# Altium PCB ECE453_Custom.PcbDoc (part 1 of 2) (continued)
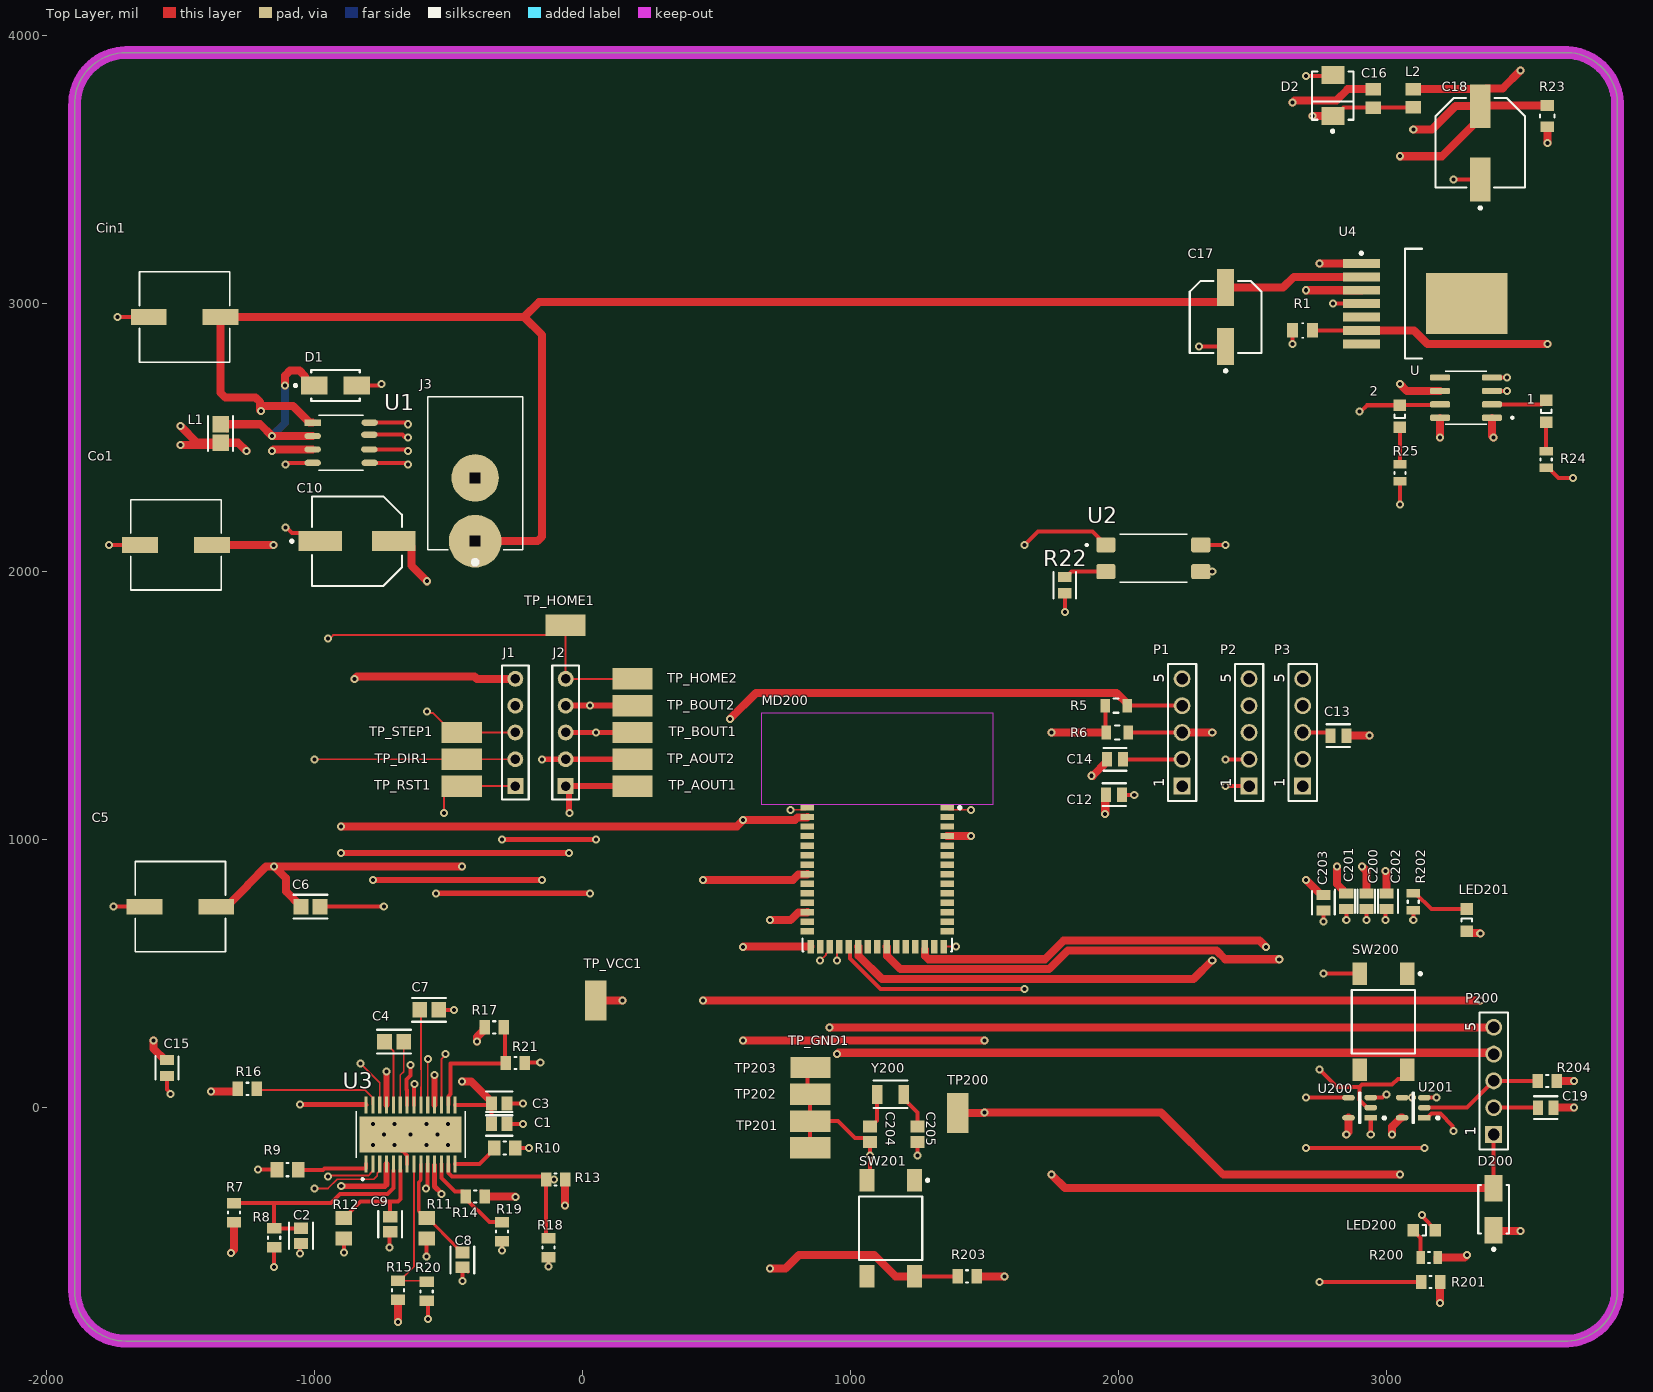
[diagram p0: Top Layer view]
## Part data (continued)
C204 C205: library part CMP-2007-04344-1, Capacitance=6pF, Case Code (Imperial)=0805, Case Code (Metric)=2012, Dielectric=C0G, Manufacturer="AVX Interconnect / Elco", Manufacturer 1="Kyocera AVX", Max Operating Temperature=125°C, Min Operating Temperature=-55°C, Package Quantity=4000, Supplier Part Number 1=478-11894-1-ND, Voltage Rating=50V, Case/Package=0805, Category="Ceramic Capacitors", ComponentLink1Description=https://datasheet.ciiva.com/205/ccog-205395.pdf?src-supplier=Digi-Key, ComponentLink1URL=https://datasheet.ciiva.com/205/ccog-205395.pdf?src-supplier=Digi-Key, ComponentLink2Description=https://datasheet.ciiva.com/11499/ccog-11499893.pdf?src-supplier=Avnet, ComponentLink2URL=https://datasheet.ciiva.com/11499/ccog-11499893.pdf?src-supplier=Avnet, ComponentLink3Description=https://datasheet.ciiva.com/5424/ccog-5424575.pdf?src-supplier=Mouser, ComponentLink3URL=https://datasheet.ciiva.com/5424/ccog-5424575.pdf?src-supplier=Mouser, Construction=Flat, Depth=1.25mm, Length=2.01mm, Manufacturer Part Number 1=08055A6R0CAT2A, Mount="Surface Mount", Packaging="Tape and Reel", Part Number=08055A6R0CAT2A, Pricing 1="1=0.24000, 10=0.16700, 50=0.10000, 100=0.08440, 500=0.05778, 1000=0.05111 (USD)", Radiation Hardening=No, RoHS=Yes, RoHS Compliant=Yes, Series=-, Stock 1=19844, Supplier 1=Digi-Key, Termination=SMD/SMT, Thickness=0.037inch, Voltage Rating (DC)=50V, Width=0.049inch
Co1: "Cap Aluminum Polymer 100uF 20VDC 20% (8 X 7mm) SMD 0.042 Ohm 1400mA 3000h 105C Automotive T/R", Capacitance=100uF, Case/Package=Radial, ESR (Equivalent Series Resistance)=42mR, Leakage Current=400uA, Manufacturer=Nichicon, Max Operating Temperature=105°C, Min Operating Temperature=-55°C, Package Quantity=1, Ripple Current=1.4A, Tolerance=20%, Voltage=20V, Category="Polymer Capacitors", ComponentLink1Description=https://datasheet.ciiva.com/115/e-cv-115994.pdf?src-supplier=Digi-Key, ComponentLink1URL=https://datasheet.ciiva.com/115/e-cv-115994.pdf?src-supplier=Digi-Key, ComponentLink2Description=https://datasheet.ciiva.com/115/e-cv-115995.pdf?src-supplier=Digi-Key, ComponentLink2URL=https://datasheet.ciiva.com/115/e-cv-115995.pdf?src-supplier=Digi-Key, ComponentLink3Description=https://datasheet.ciiva.com/115/e-cv-115996.pdf?src-supplier=Digi-Key, ComponentLink3URL=https://datasheet.ciiva.com/115/e-cv-115996.pdf?src-supplier=Digi-Key, Copyright="Copyright (C) 2022 Ultra Librarian. All rights reserved.", Diameter=8mm, Digi-Key_Part_Number_1=493-4532-1-ND, Digi-Key_Part_Number_2=493-4532-2-ND, Digi-Key_Part_Number_3=493-4532-6-ND, Dissipation Factor=0.12%, Height=7mm, Height - Seated (Max)=0.276inch, Lead Pitch=3.2mm, Length=7mm, Life (Hours)=3000Hour, Manufacturer Part Number=PCV1D101MCL2GS, Manufacturer_Part_Number=PCV1D101MCL2GS, Mfr_Name=Nichicon, Mount="Surface Mount,PCB", Packaging="Tape and Reel", Polarity=Polar, Pricing 1="1=2.46000, 10=1.99300, 50=1.73900, 100=1.52170, 500=1.15938 (USD)", RefDes=RefDes, RoHS=Yes, RoHS Compliant=Yes, Series=CV, Stock 1=12604, Supplier 1=Digi-Key, Termination=SMD/SMT, Type=DEV, Voltage Rating=20V, Voltage Rating (DC)=20V
D1 D200: library part CMP-2000-05096-2, "DIODE SCHOTTKY 40V 1A SMA", Average Rectified Current=1A, Capacitance=110pF, Case/Package=SMA, Forward Voltage=500mV, Manufacturer 1=Diodes, Max Forward Surge Current (Ifsm)=30A, Max Operating Temperature=150°C, Max Repetitive Reverse Voltage (Vrrm)=40V, Max Reverse Current=500uA, Min Operating Temperature=-65°C, Package Quantity=5000, Supplier Part Number 1=B140-FDICT-ND, Category="Rectifier Diodes", ComponentLink1Description=https://datasheet.ciiva.com/15220/getdatasheetpartid-115924-15220197.pdf?src-supplier=Verical, ComponentLink1URL=https://datasheet.ciiva.com/15220/getdatasheetpartid-115924-15220197.pdf?src-supplier=Verical, ComponentLink2Description=https://datasheet.ciiva.com/912/ds13002-912361.pdf?src-supplier=Digi-Key, ComponentLink2URL=https://datasheet.ciiva.com/912/ds13002-912361.pdf?src-supplier=Digi-Key, ComponentLink3Description=https://datasheet.ciiva.com/912/ds13002-912362.pdf?src-supplier=Digi-Key, ComponentLink3URL=https://datasheet.ciiva.com/912/ds13002-912362.pdf?src-supplier=Digi-Key, ComponentLink4Description=https://datasheet.ciiva.com/912/ds13002-912360.pdf?src-supplier=Digi-Key, ComponentLink4URL=https://datasheet.ciiva.com/912/ds13002-912360.pdf?src-supplier=Digi-Key, Contact Plating=Tin, Current Rating=1A, Element Configuration=Single, Forward Current=1A, Height=2.1mm, Lead Free="Lead Free", Length=4.6mm, Manufacturer Part Number 1=B140-13-F, Max Reverse Voltage (DC)=40V, Mount="Surface Mount", Number of Pins=2, Output Current=1A, Packaging="Cut Tape", Peak Non-Repetitive Surge Current=30A, Polarity=Standard, Pricing 1="1=0.41000, 10=0.33200, 100=0.17600, 500=0.11576, 1000=0.07872, 2000=0.07100 (USD)", Radiation Hardening=No, REACH SVHC="No SVHC", RoHS=Yes, RoHS Compliant=Yes, Series=B140, Stock 1=157255, Supplier 1=Digi-Key, Termination=SMD/SMT, Voltage Rating (DC)=40V, Weight=0.004233oz, Width=2.92mm
D2: library part CMP-02539-000017-1, "DIODE SCHOTTKY 15V 1A DO214AA", Average Rectified Current=1A, Capacitance=390pF, Forward Voltage=330mV, Manufacturer=Vishay, Max Forward Surge Current (Ifsm)=140A, Max Junction Temp=+125°C, Max Operating Temperature=125°C, Max Repetitive Reverse Voltage=15V, Max Reverse Current=500uA, Max Surge Forward Current=40A, Min Operating Temperature=-55°C, Package=95401, Peak Reverse Current=0.5mA, Supplier Part Number 1=5431601, Temperature="-55°C to +125°C", Automotive=No, Category=Diode, ComponentLink1Description=http://uk.rs-online.com/webdocs/0791/0900766b8079100c.pdf?src-supplier=RSComponents, ComponentLink1URL=http://uk.rs-online.com/webdocs/0791/0900766b8079100c.pdf?src-supplier=RSComponents, ComponentLink2Description=Datasheet, ComponentLink2URL=http://www.vishay.com/docs/93349/vs-10bq015m.pdf, ComponentLink3Description=http://www.mouser.com/ds/2/427/10bq015m-552901.pdf?src-supplier=Mouser, ComponentLink3URL=http://www.mouser.com/ds/2/427/10bq015m-552901.pdf?src-supplier=Mouser, ComponentLink4Description=https://media.digikey.com/pdf/Data%20Sheets/Vishay%20Semiconductors/VS-10BQ015-M3.pdf?src-supplier=Digi-Key, ComponentLink4URL=https://media.digikey.com/pdf/Data%20Sheets/Vishay%20Semiconductors/VS-10BQ015-M3.pdf?src-supplier=Digi-Key, ComponentLink5Description=http://www.produktinfo.conrad.com/datenblaetter/575000-599999/596658-da-01-en-DIODE_SCH_VS_10BQ015_M3_5BT_DO_214AA_VIS.pdf?src-supplier=Conrad, ComponentLink5URL=http://www.produktinfo.conrad.com/datenblaetter/575000-599999/596658-da-01-en-DIODE_SCH_VS_10BQ015_M3_5BT_DO_214AA_VIS.pdf?src-supplier=Conrad, ComponentLink6Description=http://www.farnell.com/datasheets/2085355.pdf?src-supplier=Element14, ComponentLink6URL=http://www.farnell.com/datasheets/2085355.pdf?src-supplier=Element14, Device Class L1="Discrete Semiconductors", Device Class L2=Diodes, Device Class L3="Schottky Diodes", Digikey Description="DIODE SCHOTTKY 15V 1A DO214AA", Element Configuration=Single, Footprint Url=http://www.vishay.com/docs/95401/smb.pdf, Forward Current=1A, Height=2.44mm, Lead Free=Yes, Length=4.7mm, Manufacturer Part Number=VS-10BQ015-M3/5BT, Max Repetitive Reverse Voltage (Vrrm)=15V, Max Reverse Voltage (DC)=15V, Mount="Surface Mount", Mouser Description="VS-10BQ015 Series 15 V 1 A SMT Schottky Rectifier - SMB (DO-214AA)", Number of Pins=2, Octopart=https://octopart.com/vs-10bq015-m3%2F5bt-vishay-39003459, Packaging="Tape and Reel", Peak Non-Repetitive Surge Current=140A, Pricing 1="5=0.41200, 50=0.39000, 100=0.33000, 250=0.30800, 500=0.29000 (GBP)", Reach SVHC Compliant=No, Reverse Voltage=15V, RoHS=TRUE, RoHS Compliant=Yes, Standoff Height=0mm, Stock 1=935, Supplier 1=RSComponents, Temperature Range High=+125°C, Temperature Range Low=-55°C, Width=3.8mm
J1 J2: "Header, 5-Pin", Color=Black, Manufacturer 1=Sullins, Manufacturer Part Number 1=PREC005SACN-RC, Package Quantity=1, Supplier Part Number 1=S1032EC-05-ND, ComponentLink1Description=http://www.farnell.com/cad/1737268.pdf, ComponentLink1URL=http://www.farnell.com/cad/1737268.pdf, ComponentLink2Description=http://katalog.we-online.de/em/datasheet/6130xx11121.pdf, ComponentLink2URL=http://katalog.we-online.de/em/datasheet/6130xx11121.pdf, ComponentLink3Description=https://datasheet.ciiva.com/741/xrxczzzsxxn-rc-st-11635-b-741840.pdf?src-supplier=Digi-Key, ComponentLink3URL=https://datasheet.ciiva.com/741/xrxczzzsxxn-rc-st-11635-b-741840.pdf?src-supplier=Digi-Key, Connector Type="Male Pin", Contact Mating Length=0.23inch, Contact Plating=Tin, Mount="Through Hole", Number of Positions=5, Number of Rows=1, Packaging=Bulk, Pitch=0.1inch, Pricing 1="1=0.19000, 10=0.17400, 25=0.12960, 50=0.11120, 100=0.10740, 250=0.09264, 500=0.08892 (USD)", RoHS=Yes, Stock 1=0, Supplier 1=Digi-Key, Termination=Solder
J3: "2.0 mm Center Pin, 2.5 A, Right Angle, Through Hole, Dc Power Jack Connector", Package=None, Availability=Unavailable, MP=PJ-037A, Price=None
L1: library part CMP-06042-008997-1, "Multilayer Type Inductor for Automotive, 0805 (2012), 47μH, 20%, 2.99Ω, 200mA", Manufacturer=Murata, Supplier Part Number 1=490-18465-1-ND, Category="Fixed Inductors", Manufacturer Part Number=LQM21DH470M70L, Pricing 1="1=0.25000, 10=0.22700, 25=0.19840, 50=0.17000, 100=0.15580, 250=0.14164, 500=0.13312, 1000=0.10197 (USD)", RoHS=Yes, Stock 1=20, Supplier 1=Digi-Key
L2: "Ind Chip Shielded Multi-Layer 8.2uH 10% 4MHz 45Q-Factor Ferrite 15mA 0805 T/R", Case/Package=0805, Current Rating=15mA, DC Resistance (DCR)=1.1R, Inductance=8.2uH, Manufacturer=Bourns, Max Operating Temperature=125°C, Min Operating Temperature=-55°C, Package=None, Package Quantity=2000, Self Resonant Frequency=26MHz, Supplier Part Number 1=652-CV201210-8R2K, Test Frequency=4MHz, Tolerance=10%, Availability=Unavailable, Category="Fixed Inductors", ComponentLink1Description=https://datasheet.ciiva.com/1067/cv201210-1067559.pdf?src-supplier=Digi-Key, ComponentLink1URL=https://datasheet.ciiva.com/1067/cv201210-1067559.pdf?src-supplier=Digi-Key, ComponentLink2Description=https://datasheet.ciiva.com/8516/cv201210-8516252.pdf?src-supplier=Avnet, ComponentLink2URL=https://datasheet.ciiva.com/8516/cv201210-8516252.pdf?src-supplier=Avnet, Core Material=Ferrite, Height=1.25mm, Height - Seated (Max)=0.057inch, Length=0.079inch, Manufacturer Part Number=CV201210-8R2K, Max DC Current=15mA, Mount="Surface Mount", MP=CV201210-8R2K, Packaging="Tape and Reel", Price=None, Pricing 1="1=0.10000, 10=0.06300, 50=0.06300, 100=0.05100, 1000=0.03900, 10000=0.02900 (USD)", RoHS=Yes, Series=CV201210, Shielding=Shielded, Stock 1=12226, Supplier 1=Mouser, Termination=SMD/SMT, Width=1.25mm
LED200: library part CMP-1426-00011-1, "SMD mono-color Chip LED, WL-SMCW, Red", Case Code (Imperial)=0805, Case Code (Metric)=2012, Color=Red, Forward Current=30mA, Forward Voltage=2V, Manufacturer="Wuerth Elektronik", Manufacturer 1="Wurth Electronics", Max Operating Temperature=85°C, Min Operating Temperature=-40°C, Package Quantity=4000, Supplier Part Number 1=732-4984-1-ND, Test Current=20mA, Case/Package=0805, Category=LEDs, ComponentLink1Description="Manufacturer URL", ComponentLink1URL=http://www.we-online.com, ComponentLink2Description=Datasheet, ComponentLink2URL=http://katalog.we-online.com/led/datasheet/150080RS75000.pdf, ComponentLink3Description=https://datasheet.ciiva.com/22656/150080rs75000-22656961.pdf?src-supplier=Element14, ComponentLink3URL=https://datasheet.ciiva.com/22656/150080rs75000-22656961.pdf?src-supplier=Element14, ComponentLink4Description=https://datasheet.ciiva.com/29279/759435-da-01-en-chipled-0805-w-kl-rot-150080rs75000-29279032.pdf?src-supplier=Conrad, ComponentLink4URL=https://datasheet.ciiva.com/29279/759435-da-01-en-chipled-0805-w-kl-rot-150080rs75000-29279032.pdf?src-supplier=Conrad, Dominant Wavelength=625nm, Height=0.7mm, Length=2mm, Lens Style=Clear,Rectangular, Luminous Intensity=150mcd, Manufacturer Part Number 1=150080RS75000, Mount="Surface Mount", PackageReference=0805_A, Packaging="Tape and Reel", PartNumber=150080RS75000, Pricing 1="1=0.19000, 50=0.17600, 100=0.15100, 500=0.13100 (USD)", REACH SVHC=Unknown, RoHS=Yes, RoHS Compliant=Yes, Stock 1=100282, Supplier 1=Digi-Key, Viewing Angle=140°, Wavelength=625nm, Width=1.25mm
MD200: library part CMP-12964-000002-1, "RF TXRX MOD BLUETOOTH TRACE ANT", Manufacturer="Cypress Semiconductor", Manufacturer 1=Cypress, Max Frequency=2.5GHz, Max Supply Voltage=3.6V, Min Supply Voltage=1.71V, Package=0, Receiving Current=6.7mA, Supplier Part Number 1=428-4622-1-ND, Temperature="-40°C to +85°C", Temperature Range High=+85°C, Temperature Range Low=-40°C, Transmitting Current=5.7mA, Automotive=No, Bandwidth=100MHz, Category=UNK, ComponentLink2Description=Datasheet, ComponentLink2URL=https://www.cypress.com/file/428336/download, Data Rate=2Mbits/s, Device Class L1="Integrated Circuits (ICs)", Device Class L2="RF Semiconductors and Devices", Device Class L3=Transceivers, Digikey Description="RF TXRX MOD BLUETOOTH TRACE ANT", Height=2mm, Interface=I2C,SPI,UART,I2S,Other, Lead Free=Yes, Manufacturer Part Number=CYBLE-416045-02, Manufacturer Part Number 1=CYBLE-416045-02, Number Of Adc Channels=1, Number Of Gpio=36, Octopart=https://octopart.com/cyble-416045-02-cypress+semiconductor-96386825, Pricing 1="1=16.24000, 10=14.69300, 25=13.53280, 100=12.37280, 250=11.59952 (USD)", RoHS=TRUE, RoHS Compliant=Yes, Stock 1=3441, Supplier 1=Digi-Key
P1 P2 P3 P200: library part CMP-1502-01068-1, "THT Vertical Pin Header WR-PHD, Pitch 2.54 mm, Single Row, 5 pins", Color=Black, Contact Resistance=20mOhm, Manufacturer="Wurth Elektronik", Manufacturer 1="Wurth Electronics", Operating Temperature=-40to105degC, Rated Current=3A, Supplier Part Number 1=732-5318-ND, Withstanding Voltage=500VAC, Working Voltage=250VAC, Category="Headers and Wire Housings", ComponentLink1Description=http://www.farnell.com/cad/1737268.pdf?src-supplier=Element14, ComponentLink1URL=http://www.farnell.com/cad/1737268.pdf?src-supplier=Element14, ComponentLink2Description=https://katalog.we-online.de/em/datasheet/6130xx11121.pdf?src-supplier=Digi-Key, ComponentLink2URL=https://katalog.we-online.de/em/datasheet/6130xx11121.pdf?src-supplier=Digi-Key, Connector Type="Male Pin", Contact Material=Copper, Contact Mating Length=0.236inch, Contact Plating=Gold, Datasheet URL=https://katalog.we-online.de/em/datasheet/6130xx11121.pdf, Gender=Male, Lead Free="Lead Free", Manufacturer Part Number 1=61300511121, Manufacturer URL=http://www.we-online.de, Mount="Through Hole", Mounting Technology=THT, Number of Contacts=5, Number of Positions=5, Number of Rows=1, Orientation=Vertical, Package Reference=61300511121, Packaging=Bag, Part Number=61300511121, Pin Number=5, Pitch=2.54mm, Pricing 1="1=0.26000, 10=0.22200, 25=0.18520, 50=0.15500, 100=0.14100, 1000=0.12800 (USD)", Publisher=WurthElektronik, REACH SVHC=Unknown, RoHS=Yes, RoHS Compliant=Yes, Row Number=Single, Stock 1=41302, Supplier 1=Digi-Key, Termination=Solder
R1: "Res SMD 1.02K Ohm 0.1% 1/4W 0805", Case Code (Imperial)=0805, Case Code (Metric)=2012, Manufacturer=Panasonic, Max Operating Temperature=155°C, Max Power Dissipation=250mW, Min Operating Temperature=-55°C, Package=None, Resistance=1.02kR, Resistor Type="Thick Film", Temperature Coefficient=50ppm/°C, Tolerance=0.1%, Availability=Unavailable, Case/Package=0805, Category="Chip SMD Resistors", ComponentLink1Description=https://industrial.panasonic.com/cdbs/www-data/pdf/RDM0000/DMM0000COL5.pdf?src-supplier=Digi-Key, ComponentLink1URL=https://industrial.panasonic.com/cdbs/www-data/pdf/RDM0000/DMM0000COL5.pdf?src-supplier=Digi-Key, ComponentLink2Description=https://industrial.panasonic.com/sa/system/files/data/download/catalog/id_fixed-resistors_e_2.pdf?src-supplier=Digi-Key, ComponentLink2URL=https://industrial.panasonic.com/sa/system/files/data/download/catalog/id_fixed-resistors_e_2.pdf?src-supplier=Digi-Key, Features="Automotive AEC-Q200", Height - Seated (Max)=0.028inch, Length=0.079inch, Manufacturer Part Number=ERJ-PB6B1021V, MP=ERJ-PB6B1021V, Number of Terminations=2, Packaging="Tape and Reel", Price=None, Pricing 1="1=0.06400, 10=0.05410, 25=0.03880, 50=0.02800, 100=0.02780, 250=0.02750, 500=0.02730, 1000=0.02710, 3000=0.02690 (USD)", RoHS=Yes, Stock 1=4544, Supplier 1="Arrow Electronics", Supplier Part Number 1=ERJ-PB6B1021V, Width=0.049inch
R5 R6: library part CMP-26527-003538-1, "4.7kΩ ±5% 0.125W 0805 Thick Film Chip Resistor AEC-Q200 compliant", Case Code (Imperial)=0805, Case Code (Metric)=2012, Manufacturer="Stackpole Electronics", Max Operating Temperature=155°C, Max Power Dissipation=125mW, Min Operating Temperature=-55°C, Resistance=4.7kR, Resistor Type="Thick Film", Supplier Part Number 1=RMCF0805JT4K70CT-ND, Temperature Coefficient=100ppm/°C, Tolerance=5%, Case/Package=0805, Category="Chip SMD Resistors", ComponentLink1Description=https://www.seielect.com/catalog/SEI-RMCF_RMCP.pdf?src-supplier=Avnet, ComponentLink1URL=https://www.seielect.com/catalog/SEI-RMCF_RMCP.pdf?src-supplier=Avnet, ComponentLink2Description=http://components.arrow.com/part/dataview/50568259S6926486N1174?src-supplier=Arrow+Electronics, ComponentLink2URL=http://components.arrow.com/part/dataview/50568259S6926486N1174?src-supplier=Arrow+Electronics, ComponentLink3Description=http://www.seielect.com/catalog/sei-rmc.pdf?src-supplier=Future+Electronics, ComponentLink3URL=http://www.seielect.com/catalog/sei-rmc.pdf?src-supplier=Future+Electronics, ComponentLink4Description=https://www.verical.com/server-webapp/html/getDatasheet?partID=364261&src-supplier=Verical, ComponentLink4URL=https://www.verical.com/server-webapp/html/getDatasheet?partID=364261&src-supplier=Verical, ComponentLink5Description=https://www.seielect.com/catalog/SEI-Packaging.pdf?src-supplier=Digi-Key, ComponentLink5URL=https://www.seielect.com/catalog/SEI-Packaging.pdf?src-supplier=Digi-Key, Construction=Rectangular, Contact Plating=Tin, Depth=1.25mm, Features="Automotive AEC-Q200", Height=0.026inch, Lead Free="Lead Free", Length=2mm, Manufacturer Part Number=RMCF0805JT4K70, Military Standard=Not, Mount="Surface Mount", Number of Terminations=2, Packaging="Tape and Reel", Power Rating=125mW, Pricing 1="1=0.10000, 10=0.01800, 100=0.00730, 1000=0.00328, 2500=0.00284 (USD)", Radiation Hardening=No, RoHS=Yes, RoHS Compliant=Yes, Series=RMCF, Size Code=0805, Stock 1=1600707, Supplier 1=Digi-Key, Width=0.049inch
R7 R8 R13 R14 R15 R16 R17 R18 R19 R20 R21 R201 R203 R204: library part CMP-1659-00013-4, "Chip Resistor, 10 KOhm, +/- 1%, 0.125 W, -55 to 155 degC, 0805 (2012 Metric), RoHS, Tape and Reel", Case Code (Imperial)=0805, Case Code (Metric)=2012, Manufacturer=Yageo, Max Operating Temperature="155 degC", Max Power Dissipation=125mW, Min Operating Temperature="-55 degC", Package Quantity=5000, Resistance=10kR, Resistance Tolerance=1%, Resistor Type="Thick Film", Supplier Part Number 1=311-10.0KCRCT-ND, Temperature Coefficient=100ppm/°C, Voltage Rating="150 V", Case/Package=0805, Category="Chip SMD Resistors", ComponentLink1Description="Manufacturer URL", ComponentLink1URL=http://www.yageo.com/, ComponentLink2Description=Datasheet, ComponentLink2URL=http://www.yageo.com/documents/recent/PYu-RC_Group_51_RoHS_L_04.pdf, ComponentLink3Description=https://datasheet.ciiva.com/11808/0900766b8106beab-11808151.pdf?src-supplier=RSComponents, ComponentLink3URL=https://datasheet.ciiva.com/11808/0900766b8106beab-11808151.pdf?src-supplier=RSComponents, ComponentLink4Description=https://datasheet.ciiva.com/46447/444164-46447563.pdf?src-supplier=Element14, ComponentLink4URL=https://datasheet.ciiva.com/46447/444164-46447563.pdf?src-supplier=Element14, ComponentLink5Description=https://datasheet.ciiva.com/2456/pyu-r-int-thick-7-2456973.pdf?src-supplier=Digi-Key, ComponentLink5URL=https://datasheet.ciiva.com/2456/pyu-r-int-thick-7-2456973.pdf?src-supplier=Digi-Key, ComponentLink6Description=https://datasheet.ciiva.com/2456/pyu-r-int-thick-7-2456974.pdf?src-supplier=Digi-Key, ComponentLink6URL=https://datasheet.ciiva.com/2456/pyu-r-int-thick-7-2456974.pdf?src-supplier=Digi-Key, ComponentLink7Description=https://datasheet.ciiva.com/2456/pyu-r-int-thick-7-2456972.pdf?src-supplier=Digi-Key, ComponentLink7URL=https://datasheet.ciiva.com/2456/pyu-r-int-thick-7-2456972.pdf?src-supplier=Digi-Key, ComponentLink8Description=https://datasheet.ciiva.com/12669/rc0805-12669688.pdf?src-supplier=Mouser, ComponentLink8URL=https://datasheet.ciiva.com/12669/rc0805-12669688.pdf?src-supplier=Mouser, ComponentLink9Description=https://datasheet.ciiva.com/16747/rc0805-16747087.pdf?src-supplier=Future+Electronics, ComponentLink9URL=https://datasheet.ciiva.com/16747/rc0805-16747087.pdf?src-supplier=Future+Electronics, Construction=Rectangular, DatasheetVersion="Rev. 4, 02/2016", Depth=1.25mm, Features="Moisture Resistant", Height="0.5 mm", Lead Free="Lead Free", Length="2 mm", Military Standard=Not, Mount="Surface Mount", Mounting Technology="Surface Mount", Number of Terminations=2, PackageDescription="2-Pin Surface Mounted Device, Body 2 x 1.25 mm", PackageReference=0805, Packaging="Tape and Reel", Pins=2, Power Rating=125mW, Pricing 1="1=0.10000, 10=0.03800, 100=0.01560, 1000=0.00702, 2500=0.00610 (USD)", REACH SVHC="No SVHC", RoHS=Yes, RoHS Compliant=Yes, RoHSCompliant=true, Series=RC, Size Code=0805, Supplier 1=Digi-Key, Technology="THICK FILM", Termination=SMD/SMT, Tolerance=1%, Width=0.049inch
  R7 R8 R13 R14 R15 R16 R17 R18 R19 R20 R21: Manufacturer Part Number=RC0805FR-0710KL, Stock 1=5888109
  R201 R203 R204: Manufacturer 1=Yageo, Manufacturer Part Number 1=RC0805FR-0710KL, Stock 1=5682818
R9 R10: library part CMP-2001-04471-1, Case Code (Imperial)=0805, Case Code (Metric)=2012, Manufacturer=Yageo, Max Operating Temperature=155°C, Max Power Dissipation=250mW, Min Operating Temperature=-55°C, Resistance=100mR, Supplier Part Number 1=82AH7709, Temperature Coefficient=100ppm/°C, Tolerance=1%, Case/Package=0805, Category="Chip SMD Resistors", ComponentLink1Description=http://www.mouser.com/ds/2/447/yageodocoutput-1101729.pdf?src-supplier=Mouser, ComponentLink1URL=http://www.mouser.com/ds/2/447/yageodocoutput-1101729.pdf?src-supplier=Mouser, ComponentLink2Description=http://www.yageo.com/exep/pages/download/literatures/R-chip_current%20sensor_20140512.pdf?src-supplier=Digi-Key, ComponentLink2URL=http://www.yageo.com/exep/pages/download/literatures/R-chip_current%20sensor_20140512.pdf?src-supplier=Digi-Key, Features="Moisture Resistant,Automotive AEC-Q200", Lead Free="Lead Free", Manufacturer Part Number=PT0805FR-7W0R1L, Number of Terminations=2, Packaging="Tape and Reel", Part Number=PT0805FR-7W0R1L, Pricing 1="1=0.10900, 10=0.10100, 25=0.09500, 50=0.08900, 100=0.08400 (USD)", RoHS=Yes, RoHS Compliant=Yes, Series=PT, Stock 1=80, Supplier 1=Newark
R11 R12: library part CMP-2001-00421-1, Case Code (Imperial)=0805, Case Code (Metric)=2012, Manufacturer=Panasonic, Max Operating Temperature=155°C, Max Power Dissipation=125mW, Min Operating Temperature=-55°C, Package Quantity=1, Resistance=47kR, Resistance Tolerance=5%, Resistor Type="Thick Film", Supplier Part Number 1=P47KACT-ND, Temperature Coefficient=200ppm/°C, Voltage Rating=150V, Case/Package=0805, Category="Chip SMD Resistors", ComponentLink1Description=https://datasheet.ciiva.com/11821/0900766b80f806dd-11821658.pdf?src-supplier=RSComponents, ComponentLink1URL=https://datasheet.ciiva.com/11821/0900766b80f806dd-11821658.pdf?src-supplier=RSComponents, ComponentLink2Description=https://datasheet.ciiva.com/43460/1500035-43460133.pdf?src-supplier=Farnell, ComponentLink2URL=https://datasheet.ciiva.com/43460/1500035-43460133.pdf?src-supplier=Farnell, ComponentLink3Description=https://datasheet.ciiva.com/46389/1500035-46389598.pdf?src-supplier=Element14, ComponentLink3URL=https://datasheet.ciiva.com/46389/1500035-46389598.pdf?src-supplier=Element14, ComponentLink4Description=https://datasheet.ciiva.com/6138/1500035-6138254.pdf?src-supplier=Farnell, ComponentLink4URL=https://datasheet.ciiva.com/6138/1500035-6138254.pdf?src-supplier=Farnell, ComponentLink5Description=https://datasheet.ciiva.com/46377/1500035-46377628.pdf?src-supplier=Element14, ComponentLink5URL=https://datasheet.ciiva.com/46377/1500035-46377628.pdf?src-supplier=Element14, ComponentLink6Description=https://datasheet.ciiva.com/28587/1678796-28587262.pdf?src-supplier=Element14, ComponentLink6URL=https://datasheet.ciiva.com/28587/1678796-28587262.pdf?src-supplier=Element14, ComponentLink7Description=https://datasheet.ciiva.com/24069/aoa0000ce1-37422-24069158.pdf?src-supplier=Mouser, ComponentLink7URL=https://datasheet.ciiva.com/24069/aoa0000ce1-37422-24069158.pdf?src-supplier=Mouser, ComponentLink8Description=https://datasheet.ciiva.com/9189/aoa0000ce1-9189350.pdf?src-supplier=Avnet, ComponentLink8URL=https://datasheet.ciiva.com/9189/aoa0000ce1-9189350.pdf?src-supplier=Avnet, ComponentLink9Description=https://datasheet.ciiva.com/16200/aoa0000ce1-16200503.pdf?src-supplier=Future+Electronics, ComponentLink9URL=https://datasheet.ciiva.com/16200/aoa0000ce1-16200503.pdf?src-supplier=Future+Electronics, ComponentLink10Description=https://datasheet.ciiva.com/48531/aoa0000ce1-48531646.pdf?src-supplier=Avnet, ComponentLink10URL=https://datasheet.ciiva.com/48531/aoa0000ce1-48531646.pdf?src-supplier=Avnet, ComponentLink11Description=https://datasheet.ciiva.com/30260/4aoa0000ce1-30260694.pdf?src-supplier=Onlinecomponents.com, ComponentLink11URL=https://datasheet.ciiva.com/30260/4aoa0000ce1-30260694.pdf?src-supplier=Onlinecomponents.com, Construction=Rectangular, Contact Plating=Tin, Depth=1.25mm, Features="Automotive AEC-Q200", Height=0.6mm, Lead Free="Lead Free", Length=2mm, Manufacturer Part Number=ERJ-6GEYJ473V, Military Standard=Not, Mount="Surface Mount", Number of Terminations=2, Packaging="Tape and Reel", Part Number=ERJ-6GEYJ473V, Power Rating=125mW, Pricing 1="1=0.10000, 10=0.06700, 100=0.02740, 1000=0.01230, 2500=0.01067 (USD)", Radiation Hardening=No, REACH SVHC="No SVHC", RoHS=Yes, RoHS Compliant=Yes, Series=ERJ, Stock 1=137402, Supplier 1=Digi-Key, Technology="THICK FILM", Termination=SMD/SMT, Tolerance=5%, Voltage Rating (DC)=150V, Width=0.049inch, Working Voltage=150V
R22: library part CMP-26527-001052-1, "402Ω ±1% 0.125W 0805 Thick Film Chip Resistor AEC-Q200 compliant", Case/Package=0805, Manufacturer="Stackpole Electronics", Max Operating Temperature=155°C, Min Operating Temperature=-55°C, Resistance=402R, Resistor Type="Thick Film", Supplier Part Number 1=RMCF0805FT402RCT-ND, Temperature Coefficient=100ppm/°C, Tolerance=1%, Category="Chip SMD Resistors", ComponentLink1Description=http://components.arrow.com/part/dataview/50506660S7153955N1174?src-supplier=Arrow+Electronics, ComponentLink1URL=http://components.arrow.com/part/dataview/50506660S7153955N1174?src-supplier=Arrow+Electronics, ComponentLink2Description=https://www.seielect.com/catalog/SEI-RMCF_RMCP.pdf?src-supplier=Avnet, ComponentLink2URL=https://www.seielect.com/catalog/SEI-RMCF_RMCP.pdf?src-supplier=Avnet, ComponentLink3Description=https://www.seielect.com/catalog/sei-rmcf_rmcp.pdf?src-supplier=Digi-Key, ComponentLink3URL=https://www.seielect.com/catalog/sei-rmcf_rmcp.pdf?src-supplier=Digi-Key, ComponentLink4Description=https://www.seielect.com/catalog/SEI-Packaging.pdf?src-supplier=Digi-Key, ComponentLink4URL=https://www.seielect.com/catalog/SEI-Packaging.pdf?src-supplier=Digi-Key, Contact Plating=Tin, Lead Free="Lead Free", Manufacturer Part Number=RMCF0805FT402R, Mount="Surface Mount", Packaging="Tape and Reel", Pricing 1="1=0.10000, 10=0.02400, 100=0.00970, 1000=0.00437, 2500=0.00379 (USD)", Radiation Hardening=No, RoHS=Yes, RoHS Compliant=Yes, Stock 1=94446, Supplier 1=Digi-Key
R23: library part CMP-26527-004404-1, "2.8kΩ ±1% 0.25W 0805 High Power Anti-Sulfur Thin Film Chip Resistor", Case Code (Imperial)=0805, Case Code (Metric)=2012, Manufacturer="Stackpole Electronics", Max Operating Temperature=155°C, Max Power Dissipation=250mW, Min Operating Temperature=-55°C, Resistance=2.8kR, Resistor Type="Thin Film", Temperature Coefficient=100ppm/°C, Tolerance=1%, Case/Package=0805, Category="Chip SMD Resistors", ComponentLink1Description=http://www.seielect.com/Catalog/SEI-rncp.pdf?src-supplier=Digi-Key, ComponentLink1URL=http://www.seielect.com/Catalog/SEI-rncp.pdf?src-supplier=Digi-Key, ComponentLink2Description=https://www.seielect.com/catalog/SEI-Packaging.pdf?src-supplier=Digi-Key, ComponentLink2URL=https://www.seielect.com/catalog/SEI-Packaging.pdf?src-supplier=Digi-Key, Features="Moisture Resistant", Height=0.024inch, Length=0.079inch, Manufacturer Part Number=RNCP0805FTD2K80, Mount="Surface Mount", Number of Terminations=2, Packaging="Tape and Reel", Pricing 1="25000=0.00682, 35000=0.00672, 60000=0.00653, 125000=0.00638, 250000=0.00614, 1250000=0.00600, 2500000=0.00586 (USD)", RoHS=Yes, RoHS Compliant=Yes, Series=RNCP, Stock 1=75000, Supplier 1=Avnet, Supplier Part Number 1=RNCP0805FTD2K80, Width=0.049inch
R24 R25 R200 R202: library part CMP-2000-06960-1, "Chip Resistor, 330 Ohm, +/- 1%, 125 mW, -55 to 155 degC, 0805 (2012 Metric), RoHS, Tape and Reel", Case Code (Imperial)=0805, Case Code (Metric)=2012, Manufacturer=Yageo, Max Operating Temperature=155°C, Max Power Dissipation=125mW, Min Operating Temperature=-55°C, Operating Temperature Range=-55Cto+155C, Package Description="2-Pin Surface Mounted Device, Body 2 x 1.25 mm", Package Quantity=5000, Power Rating=125mW(1/8W), Resistance=330Ohms, Resistance Tolerance=1%, Resistor Type="Thick Film", Supplier Part Number 1=311-330CRCT-ND, Temperature Coefficient=100PPM/C, Voltage Rating=150V, Case Code - in=0805, Case Code - mm=2012, Case/Package=0805, Category="Chip SMD Resistors", ComponentLink1Description=https://datasheet.ciiva.com/2457/pyu-r-int-thick-7-2457015.pdf?src-supplier=Digi-Key, ComponentLink1URL=https://datasheet.ciiva.com/2457/pyu-r-int-thick-7-2457015.pdf?src-supplier=Digi-Key, ComponentLink2Description=https://datasheet.ciiva.com/2457/pyu-r-int-thick-7-2457016.pdf?src-supplier=Digi-Key, ComponentLink2URL=https://datasheet.ciiva.com/2457/pyu-r-int-thick-7-2457016.pdf?src-supplier=Digi-Key, ComponentLink3Description=https://datasheet.ciiva.com/2457/pyu-r-int-thick-7-2457014.pdf?src-supplier=Digi-Key, ComponentLink3URL=https://datasheet.ciiva.com/2457/pyu-r-int-thick-7-2457014.pdf?src-supplier=Digi-Key, ComponentLink4Description=https://datasheet.ciiva.com/12667/rc0805-12667925.pdf?src-supplier=Mouser, ComponentLink4URL=https://datasheet.ciiva.com/12667/rc0805-12667925.pdf?src-supplier=Mouser, ComponentLink5Description=https://datasheet.ciiva.com/7941/444164-7941768.pdf?src-supplier=Element14, ComponentLink5URL=https://datasheet.ciiva.com/7941/444164-7941768.pdf?src-supplier=Element14, ComponentLink6Description=https://datasheet.ciiva.com/7941/444164-7941769.pdf?src-supplier=Element14, ComponentLink6URL=https://datasheet.ciiva.com/7941/444164-7941769.pdf?src-supplier=Element14, ComponentLink7Description=https://datasheet.ciiva.com/16740/rc0805-16740975.pdf?src-supplier=Future+Electronics, ComponentLink7URL=https://datasheet.ciiva.com/16740/rc0805-16740975.pdf?src-supplier=Future+Electronics, Construction=Rectangular, Datasheet URL=http://www.yageo.com/documents/recent/PYu-RC_Group_51_RoHS_L_7.pdf, Datasheet Version="Rev. 7, 05/2017", Depth=1.25mm, Features="Moisture Resistant", Height=0.024inch, Lead Free="Lead Free", Length=2mm, Manufacturer 1=Yageo, Manufacturer Part Number 1=RC0805FR-07330RL, Manufacturer URL=http://www.yageo.com/, Military Standard=Not, Mounting Technology=SurfaceMount, Number of Terminations=2, Package Reference=0805, Packaging=Reel, Pricing 1="1=0.10000, 10=0.03800, 100=0.01560, 1000=0.00699, 2500=0.00607 (USD)", Product=ThickFilmResistorsGeneralPurpose, REACH SVHC=Unknown, RoHS=Yes, RoHS Compliant=Yes, Series=RC, Size Code=0805, Stock 1=1406392, Supplier 1=Digi-Key, Termination=SMD/SMT, Termination Style=SMD/SMT, Tolerance=1%, Width=0.049inch
SW200 SW201: library part CMP-2000-05602-2, "Swicth, SPST, 24 V, -35 to 85 degC, 4-Pin SMD, RoHS, Tape and Reel", Case/Package=SMD/SMT, Color=Black, Contact Current Rating=50mA, Contact Resistance=100mOhm, Insulation Resistance=100MR, Manufacturer="TE Connectivity", Max Operating Temperature=85degC, Max Voltage Rating (DC)=12V, Min Operating Temperature=-35degC, Operating Force=1.57N, Package Description="4-Pin Surface Mount Device, Body 6 x 6 mm, Pitch 4.5 mm", Package Quantity=750, Supplier Part Number 1=450-1129-ND, Voltage Rating=24V, Actuator Length=0.055inch, Actuator Material=Polyamide, Actuator Type=Standard, Case\/Package=SMD/SMT, Category="Pushbutton Switches", Contact Material=CopperAlloy, Contact Plating=Silver, Current Rating=50mA, Datasheet URL=http://www.te.com/commerce/DocumentDelivery/DDEController?Action=showdoc&DocId=Customer+Drawing%7F2-1437565-7%7FV%7Fpdf%7FEnglish%7FENG_CD_2-1437565-7_V.pdf%7F4-1437565-2, Datasheet Version="Rev. V, 02/2015", Depth=10mm, Electrical Life=100000Cycles, ELV=Compliant, Illumination Type=Illuminated, Lead Free="Lead Free", Length=6mm, Manufacturer 1="TE Connectivity", Manufacturer Part Number 1=FSM4JSMA, Manufacturer URL=http://www.te.com/, Max Current Rating=50mA, Mechanical Life=100000Cycles, Mount=SurfaceMount, Mounting Technology=SurfaceMount, Orientation=Straight, Package Reference=FSM4JSMA, Packaging=LoosePiece, Pricing 1="1=0.27000, 10=0.26300, 25=0.24960, 100=0.22600, 250=0.20604, 750=0.19152, 1500=0.16339, 3000=0.15885, 5250=0.14977 (USD)", Radiation Hardening=No, REACH SVHC=Unknown, RoHS=Yes, RoHS Compliant=Yes, RoHSCompliant=true, Series=FSMJSMA, Stock 1=65608, Supplier 1=Digi-Key, Switch Function=Off-Mom, Switch Travel=0.25mm, Termination=GullWing, Throw Configuration=SPST, Voltage Rating (DC)=24V, Width=6mm
TP200 TP201 TP202 TP203: library part CMP-1672-00008-1, "Test Point, 1 Position SMD, RoHS, Tape and Reel", Manufacturer 1="Keystone Electronics", Package Quantity=1000, Supplier Part Number 1=36-5019CT-ND, Category=Connectors, ComponentLink1Description="Manufacturer URL", ComponentLink1URL=http://www.keyelco.com/, ComponentLink2Description=Datasheet, ComponentLink2URL=http://www.keyelco.com/product-pdf.cfm?p=1357, ComponentLink3Description=https://datasheet.ciiva.com/16318/m60-2p61-16318395.pdf?src-supplier=Future+Electronics, ComponentLink3URL=https://datasheet.ciiva.com/16318/m60-2p61-16318395.pdf?src-supplier=Future+Electronics, ComponentLink4Description=https://datasheet.ciiva.com/16885/70182998-16885945.pdf?src-supplier=Allied+Electronics, ComponentLink4URL=https://datasheet.ciiva.com/16885/70182998-16885945.pdf?src-supplier=Allied+Electronics, ComponentLink5Description=https://datasheet.ciiva.com/14848/m60-2p61-14848437.pdf?src-supplier=Digi-Key, ComponentLink5URL=https://datasheet.ciiva.com/14848/m60-2p61-14848437.pdf?src-supplier=Digi-Key, ComponentLink6Description=https://datasheet.ciiva.com/14848/m60-2p61-14848438.pdf?src-supplier=Digi-Key, ComponentLink6URL=https://datasheet.ciiva.com/14848/m60-2p61-14848438.pdf?src-supplier=Digi-Key, ComponentLink7Description=https://datasheet.ciiva.com/14848/m60-2p61-14848439.pdf?src-supplier=Digi-Key, ComponentLink7URL=https://datasheet.ciiva.com/14848/m60-2p61-14848439.pdf?src-supplier=Digi-Key, Contact Material=Bronze, Contact Plating=Silver, DatasheetVersion=03/2014, Height=0.09inch, Lead Free="Lead Free", Manufacturer Part Number 1=5019, Material=Bronze, Mount="Surface Mount", Mounting Technology="Surface Mount", Number of Pins=1, PackageDescription="1-Pin Surface Mount Device, Body 3.81 x 2.03 mm", PackageReference=5019, Packaging="Tape and Reel", Pins=1, Pricing 1="1=0.34000, 25=0.27360, 100=0.22340, 250=0.20064, 500=0.19152 (USD)", REACH SVHC="No SVHC", RoHS=Yes, RoHS Compliant=Yes, RoHSCompliant=True, Series=5019, Stock 1=1316816, Supplier 1=Digi-Key, Termination=SMD/SMT